# Altium PCB DRS4-PCB.PcbDoc (part 8 of 15) (continued)
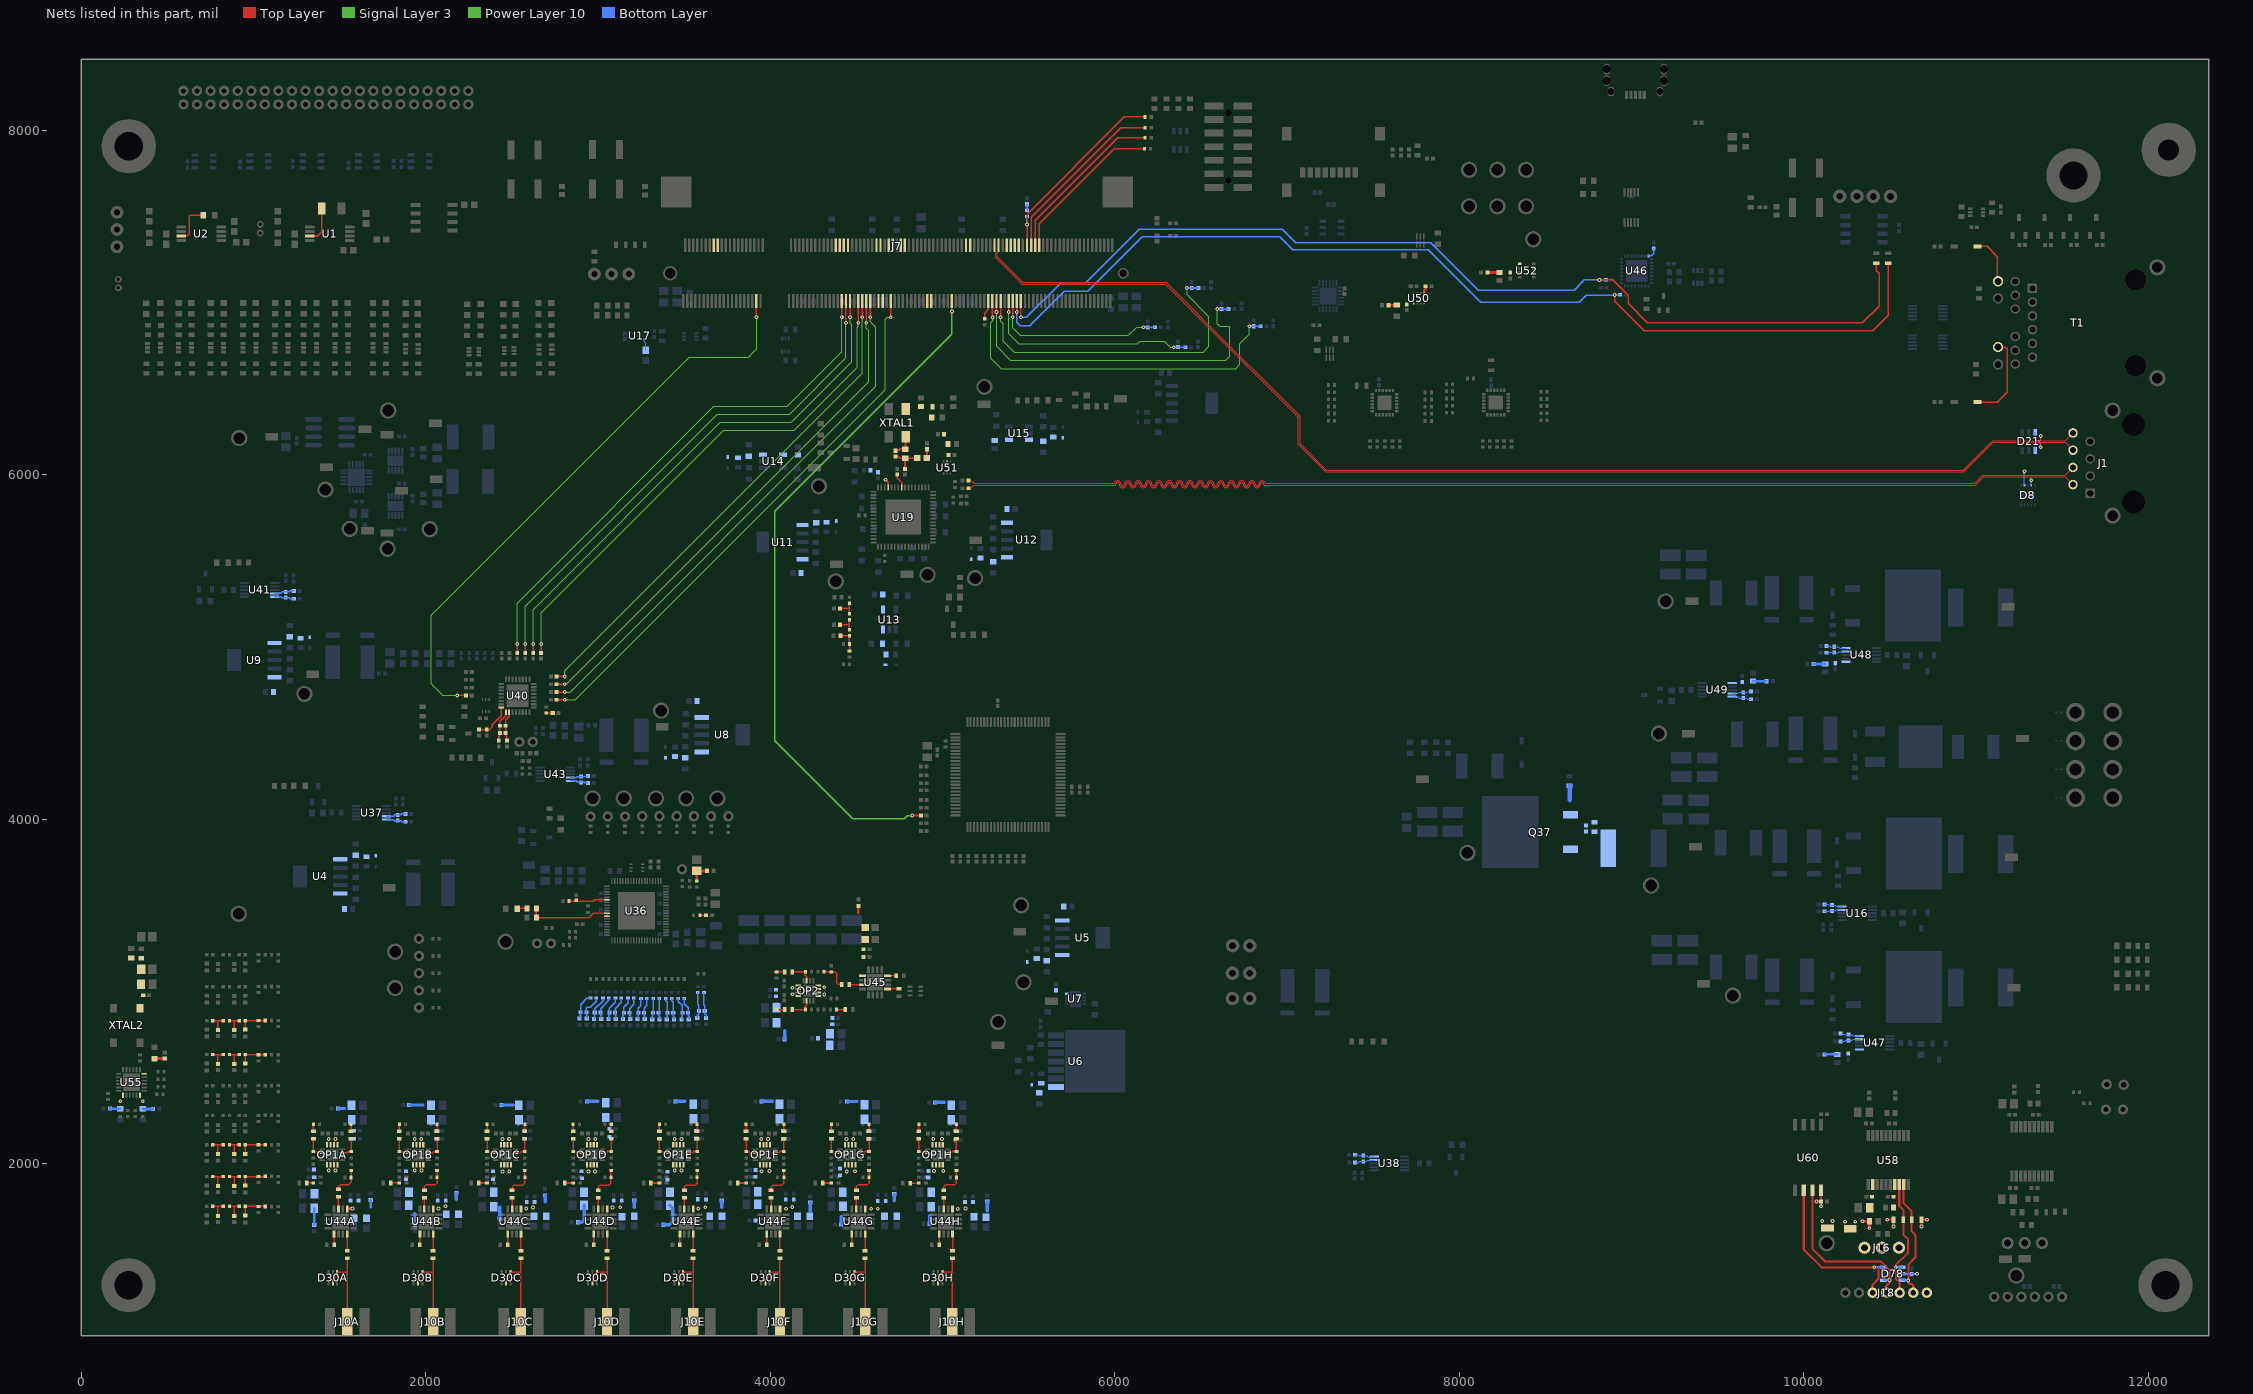
[diagram p18: the nets of this part, all layers, seen from the top]
## Nets (pads, with @x,y where several pads share a name; then routed paths per layer and width w, separated by ;. In a path a pad name is that pad's centre, name@x,y a point inside that pad or via, vN(x,y) a via of type N, cw(c..) or ccw(c..) an arc to the next point about the centre after c; other vN are vias at no path point) (continued)
NetC199C_1: C199C.1 C201C.1 C203C.2 C206C.2 FB17C.2 OP1C.5 OP1C.6 OP1C.7 OP1C.8 | length 66
  Bottom Layer w19.68: FB17C.2@2440.13,2340.59 2506.14,2340.59
  other v1: 2444.39,2142.91 2483.15,2142.91
NetC199D_1: C199D.1 C201D.1 C203D.2 C206D.2 FB17D.2 OP1D.5 OP1D.6 OP1D.7 OP1D.8 | length 63.8
  Bottom Layer w19.68: FB17D.2@2934.16,2361.61 2997.94,2361.6
  other v1: 2943.64,2142.91 2982.48,2142.91
NetC199E_1: C199E.1 C201E.1 C203E.2 C206E.2 FB17E.2 OP1E.5 OP1E.6 OP1E.7 OP1E.8 | length 52.5
  Bottom Layer w19.68: FB17E.2@3449.28,2361.61 3501.8,2361.61
  other v1: 3444.55,2142.91 3483.39,2142.91
NetC199F_1: C199F.1 C201F.1 C203F.2 C206F.2 FB17F.2 OP1F.5 OP1F.6 OP1F.7 OP1F.8 | length 60.3
  Bottom Layer w19.68: FB17F.2@3949.71,2361.61 4009.93,2361.61 ; 4009.93,2361.61 4009.97,2361.57
  other v1: 3947.62,2142.91 3986.46,2142.91
NetC199G_1: C199G.1 C201G.1 C203G.2 C206G.2 FB17G.2 OP1G.5 OP1G.6 OP1G.7 OP1G.8 | length 58
  Bottom Layer w15.75: FB17G.2@4444.93,2361.61 4502.33,2361.61 4502.74,2362.03
  other v1: 4442.42,2142.91 4481.26,2142.91
NetC199H_1: C199H.1 C201H.1 C203H.2 C206H.2 FB17H.2 OP1H.5 OP1H.6 OP1H.7 OP1H.8 | length 53.2
  Bottom Layer w19.68: FB17H.2@4956.59,2355.78 5009.14,2355.78 5009.63,2356.27
  other v1: 4945.26,2142.8 4995.91,2142.81
NetC200A_1: C200A.1 C202A.1 C204A.2 C207A.2 FB18A.2 OP1A.13 OP1A.14 OP1A.15 OP1A.16 | length 96.5
  Bottom Layer w15.75: FB18A.2@1351.65,1644.8 C204A.2@1351.65,1741.34
  other v1: 1436.43,1960.35 1475.19,1960.35
NetC200B_1: C200B.1 C202B.1 C204B.2 C207B.2 FB18B.2 OP1B.13 OP1B.14 OP1B.15 OP1B.16 | length 66.4
  Bottom Layer w19.68: FB18B.2@1936.3,1644.8 1936.3,1710.25 1936.98,1710.92
  other v1: 1935.18,1960.35 1973.94,1960.35
NetC200C_1: C200C.1 C202C.1 C204C.2 C207C.2 FB18C.2 OP1C.13 OP1C.14 OP1C.15 OP1C.16 | length 65.1
  Bottom Layer w19.68: FB18C.2@2428.84,1681.92 2428.84,1745.88 2429.64,1746.67
  other v1: 2444.63,1954.94 2483.89,1955.08
NetC200D_1: C200D.1 C202D.1 C204D.2 C207D.2 FB18D.2 OP1D.13 OP1D.14 OP1D.15 OP1D.16 | length 123.3
  Bottom Layer w19.68: FB18D.2@2885.87,1659.61 2905.87,1659.61 2918.23,1671.96 C204D.2@2918.23,1757.79
  other v1: 2943.88,1955.08 2982.4,1955.08
NetC200E_1: C200E.1 C202E.1 C204E.2 C207E.2 FB18E.2 OP1E.13 OP1E.14 OP1E.15 OP1E.16 | length 160.2
  Bottom Layer w19.68: FB18E.2@3380.32,1645.23 3413.97,1645.23 3432.28,1663.54 3432.28,1742.12 C204E.2@3416.65,1757.76
  other v1: 3444.78,1960.35 3483.31,1960.35
NetC200F_1: C200F.1 C202F.1 C204F.2 C207F.2 FB18F.2 OP1F.13 OP1F.14 OP1F.15 OP1F.16
  other v1: 3948.42,1955.98 3994.29,1957.39
NetC200G_1: C200G.1 C202G.1 C204G.2 C207G.2 FB18G.2 OP1G.13 OP1G.14 OP1G.15 OP1G.16 | length 45
  Bottom Layer w19.68: 4410.24,1692.75 4410.47,1692.52 FB18G.2@4410.47,1647.88
  other v1: 4442.6,1954.37 4491.48,1955.85
NetC200H_1: C200H.1 C202H.1 C204H.2 C207H.2 FB18H.2 OP1H.13 OP1H.14 OP1H.15 OP1H.16 | length 46.1
  Bottom Layer w19.68: FB18H.2@4924.1,1651.14 4924.1,1697.21
  other v1: 4950.27,1958.18 5003.32,1958.19
NetC209A_2: C209A.2 R157A.2 | length 41.3
  Top Layer w8.72: C209A.2@1308.06,1888.78 R157A.2@1349.41,1888.78
NetC209B_2: C209B.2 R157B.2 | length 48.9
  Top Layer w8.72: C209B.2@1796.65,1888.5 R157B.2@1845.55,1888.5
NetC209C_2: C209C.2 R157C.2 | length 48.9
  Top Layer w10: C209C.2@2306.1,1888.5 R157C.2@2355,1888.5
NetC209D_2: C209D.2 R157D.2 | length 48.9
  Top Layer w10: C209D.2@2806.26,1888.5 R157D.2@2855.16,1888.5
NetC209E_2: C209E.2 R157E.2 | length 48.9
  Top Layer w10: C209E.2@3306.73,1888.5 R157E.2@3355.63,1888.5
NetC209F_2: C209F.2 R157F.2 | length 48.9
  Top Layer w10: C209F.2@3810.24,1888.5 R157F.2@3859.13,1888.5
NetC209G_2: C209G.2 R157G.2 | length 48.9
  Top Layer w10: C209G.2@4305.04,1888.5 R157G.2@4353.94,1888.5
NetC209H_2: C209H.2 R157H.2 | length 48.9
  Top Layer w10: C209H.2@4812.56,1886.38 R157H.2@4861.46,1886.38
NetC210A_1: C210A.1 U44A.12 | length 98.4
  Top Layer w8.72: C210A.1@1543.62,1493.39 U44A.12@1543.62,1591.76
NetC210A_2: C210A.2 D30A.2 D30A.4 J10A.1 | length 463.2
  Top Layer w8.72: D30A.2@1459.65,1307.09 1459.65,1326.92 1485.24,1352.51 D30A.4@1485.24,1370.08 1543.62,1370.08 ; J10A.1@1543.62,1117.42 1543.62,1370.08 ; C210A.2@1543.62,1448.5 1543.62,1370.08 ; 1543.72,1370.08 1543.62,1370.08
NetC210B_1: C210B.1 U44B.12 | length 99.2
  Top Layer w8.72: C210B.1@2042.32,1493.39 U44B.12@2042.32,1591.76 U44B.12@2042.32,1592.54
NetC210B_2: C210B.2 D30B.2 D30B.4 J10B.1 | length 503.9
  Top Layer w8.72: D30B.2@1953.46,1307.09 1953.46,1326.92 1979.06,1352.51 D30B.4@1979.06,1370.08 2041.99,1370.08 ; J10B.1@2041.99,1082.68 2041.99,1370.08 ; C210B.2@2041.99,1450.08 2041.99,1370.08
NetC210C_1: C210C.1 U44C.12 | length 99.2
  Top Layer w8.72: C210C.1@2551.77,1493.39 U44C.12@2551.77,1592.54
NetC210C_2: C210C.2 D30C.2 D30C.4 J10C.1 | length 505.6
  Top Layer w8.72: D30C.2@2465.43,1307.09 2465.43,1326.92 2491.02,1352.51 D30C.4@2491.02,1370.08 2549.51,1370.08 ; J10C.1@2551.44,1076.55 C210C.2@2551.44,1450.08
NetC210D_1: C210D.1 U44D.12 | length 99.2
  Top Layer w8.72: C210D.1@3051.93,1493.39 U44D.12@3051.93,1591.76 U44D.12@3051.93,1592.54
NetC210D_2: C210D.2 D30D.2 D30D.4 J10D.1 | length 510.5
  Top Layer w8.72: D30D.2@2967.54,1307.09 2967.54,1326.92 2993.13,1352.51 D30D.4@2993.13,1370.08 3051.6,1370.08 ; J10D.1@3051.6,1071.64 3051.6,1370.08 ; C210D.2@3051.6,1450.08 3051.6,1370.08
NetC210E_1: C210E.1 U44E.12 | length 99.2
  Top Layer w8.72: C210E.1@3551.78,1493.39 U44E.12@3551.78,1591.76 U44E.12@3551.78,1592.54
NetC210E_2: C210E.2 D30E.2 D30E.4 J10E.1 | length 498.6
  Top Layer w8.72: D30E.2@3468.27,1307.09 3468.27,1326.92 3493.86,1352.51 D30E.4@3493.86,1370.08 3551.44,1370.08 ; J10E.1@3551.44,1082.68 3551.44,1370.08 ; C210E.2@3551.44,1450.08 3551.44,1370.08
NetC210F_1: C210F.1 U44F.12 | length 98.8
  Top Layer w8.72: C210F.1@4055.48,1493.39 U44F.12@4055.48,1591.76 U44F.12@4055.48,1592.22
NetC210F_2: C210F.2 D30F.2 D30F.4 J10F.1 | length 509.6
  Top Layer w8.72: D30F.2@3970.52,1307.09 3970.52,1326.92 3996.12,1352.51 D30F.4@3996.12,1370.08 4054.6,1370.08 ; J10F.1@4055.48,1072.54 C210F.2@4055.48,1450.08
NetC210G_1: C210G.1 U44G.12 | length 102.3
  Top Layer w8.72: C210G.1@4550,1493.39 U44G.12@4550,1591.76 U44G.12@4550,1595.71
NetC210G_2: C210G.2 D30G.2 D30G.4 J10G.1 | length 491.4
  Top Layer w8.72: D30G.2@4462.64,1307.09 4462.64,1326.92 4488.23,1352.51 D30G.4@4488.23,1370.08 4546.71,1370.08 ; J10G.1@4550,1087.86 4550,1370.08 C210G.2@4550,1447.15
NetC210H_1: C210H.1 U44H.12 | length 97
  Top Layer w8.72: C210H.1@5057.53,1493.39 U44H.12@5057.53,1590.42
NetC210H_2: C210H.2 D30H.2 D30H.4 J10H.1 | length 502.3
  Top Layer w8.72: D30H.2@4973.62,1307.09 4973.62,1326.92 4999.21,1352.51 D30H.4@4999.21,1370.08 5057.17,1370.08 ; J10H.1@5057.17,1079.9 5057.17,1370.08 ; C210H.2@5057.17,1450.08 5057.17,1370.08 ; 5057.7,1370.08 5057.17,1370.08
NetC211A_1: C211A.1 U44A.9 | length 62.6
  Top Layer w8.72: C211A.1@1466.81,1529.93 U44A.9@1466.81,1592.54
NetC211B_1: C211B.1 U44B.9 | length 62.3
  Top Layer w10: C211B.1@1964.76,1529.41 U44B.9@1964.76,1591.75
NetC211C_1: C211C.1 U44C.9 | length 62.3
  Top Layer w8.72: C211C.1@2475,1530.22 U44C.9@2475,1592.54
NetC211D_1: C211D.1 U44D.9 | length 62.3
  Top Layer w8.72: C211D.1@2975.16,1530.22 U44D.9@2975.16,1591.76 U44D.9@2975.16,1592.54
NetC211E_1: C211E.1 U44E.9 | length 62.3
  Top Layer w8.72: C211E.1@3475,1530.22 U44E.9@3475,1592.54
NetC211F_1: C211F.1 U44F.9 | length 62.3
  Top Layer w8.72: C211F.1@3978.7,1530.22 U44F.9@3978.7,1592.54
NetC211G_1: C211G.1 U44G.9 | length 62.3
  Top Layer w8.72: C211G.1@4473.23,1530.22 U44G.9@4473.23,1591.76 U44G.9@4473.23,1592.54
NetC211H_1: C211H.1 U44H.9 | length 62.3
  Top Layer w8.72: C211H.1@4980.75,1528.09 U44H.9@4980.75,1590.42
NetC212A_1: C212A.1 R162A.1 R164A.2 | length 168.4
  Top Layer w8.72: C212A.1@1492.4,1850.74 1492.4,1865.67 1505.79,1879.06 1552.28,1879.06 1566.46,1893.23 R164A.2@1566.46,1920.31 1566.22,1920.55 R162A.1@1566.22,1961.06 ; R162A.1@1571.1,1961.06 R162A.1@1571.18,1960.98
NetC212A_2: C212A.2 U44A.3 | length 69
  Top Layer w8.72: U44A.3@1492.4,1738.4 C212A.2@1492.4,1807.43
NetC212B_1: C212B.1 R162B.1 R164B.2 | length 178.4
  Top Layer w8.72: C212B.1@1991.14,1845.35 1991.14,1866.26 2001.34,1876.46 2054.13,1876.46 2065.04,1887.36 R164B.2@2065.04,1921.68 ; R164B.2@2064.8,1921.92 R162B.1@2064.8,1962.43
NetC212B_2: C212B.2 U44B.3 | length 63.6
  Top Layer w8.72: U44B.3@1991.14,1738.4 C212B.2@1991.14,1802.05
NetC212C_1: C212C.1 R162C.1 R164C.2 | length 178.4
  Top Layer w8.72: C212C.1@2500.31,1844.5 2500.31,1865.4 2510.51,1875.6 2563.31,1875.6 2574.21,1886.51 R164C.2@2574.21,1920.83 R162C.1@2574.21,1961.34
NetC212C_2: C212C.2 U44C.3 | length 63.6
  Top Layer w8.72: U44C.3@2500.59,1738.4 C212C.2@2500.59,1802.05
NetC212D_1: C212D.1 R162D.1 R164D.2 | length 178.4
  Top Layer w8.72: C212D.1@3000.47,1844.5 3000.47,1865.4 3010.67,1875.6 3063.46,1875.6 3074.37,1886.51 R164D.2@3074.37,1920.83 R162D.1@3074.37,1961.34
NetC212D_2: C212D.2 U44D.3 | length 63.6
  Top Layer w8.72: U44D.3@3000.75,1738.4 C212D.2@3000.75,1802.05
NetC212E_1: C212E.1 R162E.1 R164E.2 | length 178.4
  Top Layer w8.72: C212E.1@3500.94,1844.5 3500.94,1865.4 3511.14,1875.6 3563.94,1875.6 3574.84,1886.51 R164E.2@3574.84,1920.83 R162E.1@3574.84,1961.34
NetC212E_2: C212E.2 U44E.3 | length 63.6
  Top Layer w8.72: U44E.3@3501.22,1738.4 C212E.2@3501.22,1802.05
NetC212F_1: C212F.1 R162F.1 R164F.2 | length 178.4
  Top Layer w8.72: C212F.1@4004.02,1844.5 4004.02,1865.4 4014.21,1875.6 4067.01,1875.6 4077.91,1886.51 R164F.2@4077.91,1920.83 R162F.1@4077.91,1961.34
NetC212F_2: C212F.2 U44F.3 | length 63.6
  Top Layer w8.72: U44F.3@4004.29,1738.4 C212F.2@4004.29,1802.05
NetC212G_1: C212G.1 R162G.1 R164G.2 | length 178.4
  Top Layer w8.72: C212G.1@4498.82,1845.35 4498.82,1866.26 4509.01,1876.46 4561.81,1876.46 4572.71,1887.36 R164G.2@4572.72,1921.68 R162G.1@4572.72,1961.34 R162G.1@4572.72,1962.19
NetC212G_2: C212G.2 U44G.3 | length 63.6
  Top Layer w8.72: U44G.3@4498.82,1738.4 C212G.2@4498.82,1802.05
NetC212H_1: C212H.1 R162H.1 R164H.2 | length 178.4
  Top Layer w8.72: C212H.1@5006.34,1845.35 5006.34,1866.26 5016.54,1876.46 5069.33,1876.46 5080.24,1887.36 5080.24,1921.68 R162H.1@5080.24,1961.34 R162H.1@5080.24,1962.19
NetC212H_2: C212H.2 U44H.3 | length 63.6
  Top Layer w8.72: U44H.3@5006.34,1738.4 C212H.2@5006.34,1802.05
NetC213A_1: C213A.1 R160A.1 | length 40.6
  Top Layer w7.87: C213A.1@1346.81,2188.5 R160A.1@1346.81,2229.13
NetC213A_2: C213A.2 OP1A.10 R170A.2 | length 130.2
  Top Layer w7.87: C213A.2@1346.81,2145.2 R170A.2@1346.81,2069.61 1366.5,2069.61 1373.86,2062.24 OP1A.10@1398.41,2062.24
NetC213B_1: C213B.1 R160B.1 | length 40.6
  Top Layer w7.87: C213B.1@1845.55,2188.5 R160B.1@1845.55,2229.13
NetC213B_2: C213B.2 OP1B.10 R170B.2 | length 130.2
  Top Layer w7.87: C213B.2@1845.55,2145.2 R170B.2@1845.55,2069.61 1865.25,2069.61 1872.61,2062.24 OP1B.10@1897.16,2062.24
NetC213C_1: C213C.1 R160C.1 | length 40.6
  Top Layer w7.87: C213C.1@2355,2188.5 R160C.1@2355,2229.13
NetC213C_2: C213C.2 OP1C.10 R170C.2 | length 130.2
  Top Layer w7.87: C213C.2@2355,2145.2 R170C.2@2355,2069.61 2374.69,2069.61 2382.06,2062.24 OP1C.10@2406.61,2062.24
NetC213D_1: C213D.1 R160D.1 | length 40.6
  Top Layer w7.87: C213D.1@2855.16,2188.5 R160D.1@2855.16,2229.13
NetC213D_2: C213D.2 OP1D.10 R170D.2 | length 130.2
  Top Layer w7.87: C213D.2@2855.15,2145.2 2855.15,2069.61 2874.85,2069.61 2882.21,2062.24 OP1D.10@2906.76,2062.24
NetC213E_1: C213E.1 R160E.1 | length 40.6
  Top Layer w7.87: C213E.1@3355.63,2188.5 R160E.1@3355.63,2229.13
NetC213E_2: C213E.2 OP1E.10 R170E.2 | length 130.2
  Top Layer w7.87: R170E.2@3355.63,2069.61 C213E.2@3355.63,2145.2 ; R170E.2@3355.63,2069.61 3375.32,2069.61 3382.69,2062.24 OP1E.10@3407.24,2062.24
NetC213F_1: C213F.1 R160F.1 | length 40.6
  Top Layer w7.87: C213F.1@3859.13,2188.5 R160F.1@3859.13,2229.13
NetC213F_2: C213F.2 OP1F.10 R170F.2 | length 130.2
  Top Layer w7.87: C213F.2@3858.69,2145.2 3858.69,2069.61 R170F.2@3859.13,2069.61 3878.39,2069.61 3885.76,2062.24 OP1F.10@3910.31,2062.24
NetC213G_1: C213G.1 R160G.1 | length 40.6
  Top Layer w7.87: C213G.1@4353.94,2188.5 R160G.1@4353.94,2229.13
NetC213G_2: C213G.2 OP1G.10 R170G.2 | length 130.2
  Top Layer w7.87: C213G.2@4353.94,2145.2 R170G.2@4353.94,2069.61 4373.63,2069.61 4380.99,2062.24 OP1G.10@4405.54,2062.24
NetC213H_1: C213H.1 R160H.1 | length 40.6
  Top Layer w7.87: C213H.1@4861.46,2188.5 R160H.1@4861.46,2229.13
NetC213H_2: C213H.2 OP1H.10 R170H.2 | length 130.2
  Top Layer w7.87: C213H.2@4861.45,2145.2 4861.45,2069.61 4881.15,2069.61 4888.51,2062.24 OP1H.10@4913.06,2062.24
NetC214A_1: C214A.1 R161A.1 | length 41.3
  Top Layer w7.87: C214A.1@1566.22,2187.8 R161A.1@1566.22,2229.13
NetC214A_2: C214A.2 OP1A.3 R165A.2 | length 129.7
  Top Layer w7.87: OP1A.3@1514.41,2062.24 1543.27,2062.24 1550.63,2069.61 R165A.2@1566.22,2069.61 C214A.2@1566.22,2144.49
NetC214B_1: C214B.1 R161B.1 | length 40.6
  Top Layer w7.87: C214B.1@2065.04,2188.5 R161B.1@2065.04,2229.13
NetC214B_2: C214B.2 OP1B.3 R165B.2 | length 130.7
  Top Layer w7.87: OP1B.3@2013.16,2062.24 2037.75,2062.24 2046.13,2070.63 R165B.2@2064.75,2070.63 ; R165B.2@2065.04,2069.61 C214B.2@2065.04,2145.2
NetC214C_1: C214C.1 R161C.1 | length 40.6
  Top Layer w7.87: C214C.1@2574.21,2188.78 R161C.1@2574.21,2229.41
NetC214C_2: C214C.2 OP1C.3 R165C.2 | length 130.7
  Top Layer w7.87: OP1C.3@2522.33,2062.52 2546.92,2062.52 2555.31,2070.91 R165C.2@2573.93,2070.91 ; R165C.2@2574.21,2069.88 C214C.2@2574.21,2145.2 C214C.2@2574.21,2145.47
NetC214D_1: C214D.1 R161D.1 | length 40.6
  Top Layer w7.87: C214D.1@3076.18,2188.5 R161D.1@3076.18,2229.13
NetC214D_2: C214D.2 OP1D.3 R165D.2 | length 130.7
  Top Layer w7.87: OP1D.3@3022.49,2062.52 3047.08,2062.52 3055.46,2070.91 R165D.2@3074.09,2070.91 ; R165D.2@3076.47,2068.58 C214D.2@3076.47,2144.17
NetC214E_1: C214E.1 R161E.1 | length 40.6
  Top Layer w7.87: C214E.1@3574.84,2188.5 R161E.1@3574.84,2229.13
NetC214E_2: C214E.2 OP1E.3 R165E.2 | length 130.7
  Top Layer w7.87: OP1E.3@3521.15,2062.52 3545.74,2062.52 3554.12,2070.91 R165E.2@3572.75,2070.91 ; R165E.2@3575.13,2068.58 C214E.2@3575.13,2144.17
NetC214F_1: C214F.1 R161F.1 | length 40.6
  Top Layer w7.87: C214F.1@4077.91,2188.5 R161F.1@4077.91,2229.13
NetC214F_2: C214F.2 OP1F.3 R165F.2 | length 130.7
  Top Layer w7.87: OP1F.3@4024.22,2062.52 4048.81,2062.52 4057.2,2070.91 R165F.2@4075.82,2070.91 ; R165F.2@4078.2,2068.58 C214F.2@4078.2,2144.17
NetC214G_1: C214G.1 R161G.1 | length 40.6
  Top Layer w7.87: C214G.1@4572.72,2188.5 R161G.1@4572.72,2229.13
NetC214G_2: C214G.2 OP1G.3 R165G.2 | length 130.7
  Top Layer w7.87: OP1G.3@4519.02,2062.52 4543.61,2062.52 4552,2070.91 R165G.2@4570.62,2070.91 ; R165G.2@4573,2068.58 C214G.2@4573,2144.17
NetC214H_1: C214H.1 R161H.1 | length 40.6
  Top Layer w7.87: C214H.1@5080.24,2188.5 R161H.1@5080.24,2229.13
NetC214H_2: C214H.2 OP1H.3 R165H.2 | length 130.7
  Top Layer w7.87: OP1H.3@5026.54,2062.52 5051.13,2062.52 5059.52,2070.91 R165H.2@5078.14,2070.91 ; R165H.2@5080.24,2069.61 C214H.2@5080.24,2145.2
NetC215_2: C215.2 U17.3 | length 67.8
  Bottom Layer w5: U17.3@3266.94,6786.01 3266.94,6770.9 3276.77,6761.06 C215.2@3276.77,6722.33
NetC216A_1: C216A.1 L2A.1 R166A.1 | length 157.5
  Bottom Layer w7.87: L2A.1@2891.94,2842.07 2892.96,2843.08 2892.96,2859.11 2897.9,2864.05 C216A.1@2897.9,2879.68 2897.9,2923.61 2935.25,2960.96 R166A.1@2955.9,2960.96
NetC216A_2: C216A.2 L3A.2 R167A.1 | length 156.1
  Bottom Layer w7.87: L3A.2@2933.69,2842.07 2935.94,2844.32 2935.94,2860.83 2931.36,2865.41 C216A.2@2931.36,2879.68 2931.36,2901.93 2938.08,2908.66 2955.24,2908.66 2989.75,2943.17 R167A.1@2989.75,2961.05
NetC216B_1: C216B.1 L2B.1 R166B.1 | length 142.9
  Bottom Layer w7.87: L2B.1@2976.14,2839.58 2976,2839.73 2976,2856.88 2980.49,2861.37 C216B.1@2980.49,2877.19 2980.49,2898.39 3028.3,2946.2 R166B.1@3028.3,2960.74
NetC216B_2: C216B.2 L3B.2 R167B.1 | length 143
  Bottom Layer w7.87: L3B.2@3017.89,2839.58 3018.23,2839.93 3018.23,2858.11 3013.96,2862.38 C216B.2@3013.96,2877.19 3013.96,2900.22 3062.16,2948.42 R167B.1@3062.16,2960.74
NetC216C_1: C216C.1 L2C.1 R166C.1 | length 137.5
  Bottom Layer w7.87: L2C.1@3060.25,2840.03 3060.87,2840.64 3060.87,2857.81 3065.17,2862.11 C216C.1@3065.17,2877.64 3065.17,2902.37 3100.7,2937.91 R166C.1@3100.7,2960.74
NetC216C_2: C216C.2 L3C.2 R167C.1 | length 137.9
  Bottom Layer w7.87: L3C.2@3101.99,2840.03 3103.1,2841.14 3103.1,2858.05 3098.63,2862.52 C216C.2@3098.63,2877.64 3098.63,2900.48 3134.56,2936.41 R167C.1@3134.56,2960.74
NetC216D_1: C216D.1 L2D.1 R166D.1 | length 134
  Bottom Layer w7.87: L2D.1@3144.56,2839.19 3144.22,2839.53 3144.22,2857.72 3149.52,2863.02 C216D.1@3149.52,2876.8 3149.52,2908.65 3174.03,2933.16 R166D.1@3174.03,2960.74
NetC216D_2: C216D.2 L3D.2 R167D.1 | length 133.8
  Bottom Layer w7.87: L3D.2@3186.31,2839.19 3186.95,2839.84 3186.95,2857.69 3182.99,2861.65 C216D.2@3182.99,2876.8 3182.99,2900.95 3207.89,2925.85 R167D.1@3207.89,2960.74
NetC216E_1: C216E.1 L2E.1 R166E.1 | length 128
  Bottom Layer w7.87: L2E.1@3228.53,2839.19 3228.53,2854.35 3233,2858.82 C216E.1@3233,2876.19 ; C216E.1@3233.61,2876.8 3233.61,2902.75 3248.46,2917.59 R166E.1@3248.46,2959.8
NetC216E_2: C216E.2 L3E.2 R167E.1 | length 128.1
  Bottom Layer w7.87: L3E.2@3270.27,2839.19 3270.27,2855.27 3267.07,2858.47 C216E.2@3267.07,2876.8 3267.07,2903.83 3281.92,2918.68 R167E.1@3281.92,2959.79
NetC216F_1: C216F.1 L2F.1 R166F.1 | length 122.8
  Bottom Layer w7.87: L2F.1@3314.17,2838.55 3314.36,2838.75 3314.36,2856.97 3317.92,2860.53 C216F.1@3317.92,2876.16 ; C216F.1@3320.46,2876.16 R166F.1@3320.46,2959.79
NetC216F_2: C216F.2 L3F.2 R167F.1 | length 122.2
  Bottom Layer w7.87: C216F.2@3351.38,2876.16 3351.38,2859.59 3356.48,2854.49 3356.48,2839.13 L3F.2@3355.91,2838.55 ; C216F.2@3354.32,2877.52 R167F.1@3354.32,2959.79
NetC216G_1: C216G.1 L2G.1 R166G.1 | length 127
  Bottom Layer w7.87: R166G.1@3392.86,2959.79 3392.86,2945.58 3402.45,2936 C216G.1@3402.45,2876 3402.45,2860.57 3400.36,2858.48 3400.36,2840.23 L2G.1@3398.5,2838.37
NetC216G_2: C216G.2 L3G.2 R167G.1 | length 127
  Bottom Layer w7.87: R167G.1@3426.72,2959.79 3426.72,2947.28 3435.91,2938.09 C216G.2@3435.91,2876 3435.91,2859.63 3440.24,2855.3 L3G.2@3440.24,2838.37
NetC216H_1: C216H.1 L2H.1 R166H.1 | length 136.4
  Bottom Layer w7.87: R166H.1@3465.27,2959.79 3465.27,2941.07 3487.54,2918.8 C216H.1@3487.54,2872.31 ; L2H.1@3483.99,2838.15 3486.44,2840.6 3486.44,2856.15 3488.94,2858.65 C216H.1@3488.94,2875.75
NetC216H_2: C216H.2 L3H.2 R167H.1 | length 134.7
  Bottom Layer w7.87: R167H.1@3499.12,2959.79 3499.12,2928.76 3522.4,2905.48 C216H.2@3522.4,2875.75 3522.4,2858.15 3528.15,2852.4 3528.15,2840.56 L3H.2@3525.73,2838.15
NetC217A_2: C217A.2 C218A.1 C219A.2 C220A.1 FB19A.2 U44A.1 | length 73.1
  Top Layer w11.81: U44A.1@1543.58,1738.4 U44A.1@1545.16,1739.98
  Top Layer w19.68: U44A.1@1545.16,1739.98 v1(1573.42,1739.98)
  Bottom Layer w15.75: FB19A.2@1679.76,1789.85 1679.76,1747.33 1679.8,1747.28
NetC217B_2: C217B.2 C218B.1 C219B.2 C220B.1 FB19B.2 U44B.1 | length 37.4
  Bottom Layer w11.81: 2177.3,1792.07 2177.72,1791.64
  Bottom Layer w19.68: 2177.3,1792.07 FB19B.2@2177.3,1828.89
  other v1: 2072.9,1740 2114.15,1752.36
NetC217C_2: C217C.2 C218C.1 C219C.2 C220C.1 FB19C.2 U44C.1 | length 37.9
  Bottom Layer w19.68: 2691.97,1778.02 FB19C.2@2691.97,1815.93
  other v1: 2582.56,1740 2621.35,1745.82
NetC217D_2: C217D.2 C218D.1 C219D.2 C220D.1 FB19D.2 U44D.1 | length 39.4
  Bottom Layer w19.68: 3209.84,1747.79 FB19D.2@3209.84,1787.14
  other v1: 3083.9,1746.09 3129.1,1746.67
NetC217E_2: C217E.2 C218E.1 C219E.2 C220E.1 FB19E.2 U44E.1 | length 40.2
  Bottom Layer w19.68: 3718.04,1745.76 FB19E.2@3718.04,1785.99
  other v1: 3581.28,1739.38 3622.09,1747.44
NetC217F_2: C217F.2 C218F.1 C219F.2 C220F.1 FB19F.2 U44F.1 | length 50.7
  Bottom Layer w19.68: 4231.12,1724.08 FB19F.2@4231.12,1774.75
  other v1: 4091.1,1737.9 4127.24,1748.44
NetC217G_2: C217G.2 C218G.1 C219G.2 C220G.1 FB19G.2 U44G.1 | length 37.7
  Bottom Layer w19.68: 4718.54,1785.97 FB19G.2@4718.54,1823.64
  other v1: 4585.62,1737.9 4623.11,1737.9
NetC217H_2: C217H.2 C218H.1 C219H.2 C220H.1 FB19H.2 U44H.1 | length 53.7
  Bottom Layer w19.68: 5258.71,1726.88 FB19H.2@5258.71,1780.55
  other v1: 5088.39,1736.99 5132.18,1739.8
NetC222_1: C222.1 C224.1 C226.2 C229.2 FB20.2 OP2.5 OP2.6 OP2.7 OP2.8 | length 48.6
  Bottom Layer w19.68: FB20.2@4082.24,2722.4 4082.24,2771
  other v1: 4127.83,2983.26 4127.83,3022.09
NetC223_1: C223.1 C225.1 C227.2 C230.2 FB21.2 OP2.13 OP2.14 OP2.15 OP2.16
  other v1: 4312.44,2982.53 4312.44,3023.85
NetC232_2: C232.2 R172.2 | length 48.9
  Top Layer w8.72: R172.2@4384.53,2894.77 C232.2@4433.43,2894.77
NetC233_1: C233.1 U45.12 | length 47.1
  Top Layer w8.72: U45.12@4683.47,3091.14 C233.1@4730.59,3091.14
NetC234_1: C234.1 U45.9 | length 62.3
  Top Layer w8.72: U45.9@4683.47,3014.36 C234.1@4745.8,3014.36
NetC235_1: C235.1 R177.1 R178.2 | length 162.9
  Top Layer w8.72: R177.1@4311.69,3113.85 R178.2@4353.04,3113.85 4375.04,3113.85 4385.84,3103.05 4385.84,3049.69 4394.75,3040.78 C235.1@4413.11,3040.78
NetC235_2: C235.2 U45.3 | length 75.2
  Top Layer w8.72: C235.2@4459.4,3039.95 U45.3@4534.65,3039.95
NetC236_1: C236.1 R175.1 | length 47.6
  Top Layer w7.87: R175.1@4035.64,2894.75 C236.1@4083.23,2894.75
NetC236_2: C236.2 OP2.10 R181.2 | length 130.2
  Top Layer w7.87: C236.2@4127.83,2894.76 R181.2@4203.43,2894.75 ; R181.2@4203.43,2894.75 4203.43,2914.47 4210.79,2921.83 OP2.10@4210.79,2946.38
NetC237_1: C237.1 R176.1 | length 47.6
  Top Layer w7.87: R176.1@4035.63,3113.53 C237.1@4083.23,3113.53
NetC237_2: C237.2 OP2.3 R180.2 | length 130.7
  Top Layer w7.8: C237.2@4127.82,3113.55 R180.2@4203.41,3113.55 ; R180.2@4202.11,3111.46 4202.11,3092.83 4210.5,3084.45 OP2.3@4210.5,3059.86
NetC239_1: C239.1 L4.1 R182.1 | length 154.1
  Bottom Layer w7.87: L4.1@3575.31,2847.16 3575.31,2859.12 3585.3,2869.11 C239.1@3585.3,2886.03 3585.3,2918.86 3578.4,2925.75 R182.1@3578.4,2994.26
NetC239_2: C239.2 L5.2 R183.1 | length 153.5
  Bottom Layer w7.87: R183.1@3614.01,2994.26 3614.01,2923.1 3620.2,2916.91 3620.2,2887.47 C239.2@3618.76,2886.03 3618.76,2869.7 3626.66,2861.8 L5.2@3626.66,2847.16
NetC240_2: C240.2 C241.1 C242.2 C243.1 FB35.2 U45.1 | length 39
  Top Layer w15.75: 4510.85,3457.92 FB35.2@4510.85,3496.94
NetC246_2: C246.2 L6.2 L7.1 | length 110
  Top Layer w8.72: C246.2@4408.3,5223.53 4459.13,5223.53 ; L7.1@4459.13,5193.77 4459.13,5223.53 ; L6.2@4459.13,5252.94 4459.13,5223.53
NetC247_2: C247.2 L7.2 L8.1 | length 111.6
  Top Layer w8.72: C247.2@4404.2,5129.13 4457.49,5129.13 ; L8.1@4459.13,5100.07 L7.2@4459.13,5158.34
NetC248_2: C248.2 L8.2 R186.1 R187.2 | length 141.8
  Top Layer w8.72: C248.2@4406.37,5064.64 L8.2@4459.13,5064.64 4459.13,5018.46 R187.2@4459.92,5017.68 4459.92,4976.59 R186.1@4460.37,4976.14
NetC251_2: C251.2 U46.16 | length 65.3
  Bottom Layer w7.87: U46.16@9097.95,7270.67 9114.35,7270.67 9127.53,7283.86 C251.2@9127.53,7314.15
NetC257_1: C257.1 R205.1 U47.10 | length 115.7
  Bottom Layer w5: R205.1@10213.04,2755.29 10215.83,2752.5 10238.5,2752.5 10241.77,2749.23 C257.1@10259.31,2749.23 10277.01,2749.23 10284.06,2742.19 U47.10@10323.3,2742.19
NetC257_2: C257.2 R199.1 U47.9 | length 115.4
  Bottom Layer w5: R199.1@10213.04,2710 10214.54,2711.5 10237.5,2711.5 10241.77,2715.77 C257.2@10259.31,2715.77 10280.52,2715.77 10287.25,2722.5 U47.9@10323.3,2722.5
NetC258_1: C258.1 R206.1 U48.10 | length 119
  Bottom Layer w5: R206.1@10131.1,5005.8 10147.94,5005.8 10151.77,5001.97 10175.1,5001.97 C258.1@10175.89,5001.18 10198.6,5001.18 10206.98,4992.8 U48.10@10244.75,4992.8
NetC258_2: C258.2 R200.1 U48.9 | length 118.4
  Bottom Layer w5: R200.1@10131.1,4965.85 10150.39,4965.85 10152.46,4967.91 10175.69,4967.91 C258.2@10175.89,4967.72 10177.76,4965.85 10199.11,4965.85 10206.39,4973.12 U48.9@10244.75,4973.12
NetC259_1: C259.1 R207.1 U49.10 | length 115.8
  Bottom Layer w5: U49.10@9583.78,4711.12 9618.51,4711.12 9626.87,4702.76 C259.1@9647.54,4702.76 9666.73,4702.76 9672.24,4697.24 9692.42,4697.24 R207.1@9693.44,4696.22
NetC259_2: C259.2 R201.1 U49.9 | length 115.6
  Bottom Layer w5: U49.9@9583.78,4730.8 9618.89,4730.8 9626.08,4737.99 9645.77,4737.99 C259.2@9647.54,4736.22 9666.24,4736.22 9670.77,4740.75 9692.69,4740.75 R201.1@9693.44,4741.5
NetC260_2: C260.2 C261.1 FB22.2 U47.6 | length 71.6
  Bottom Layer w15.75: FB22.2@10122.18,2634.84 C261.1@10193.62,2634.84 C261.1@10193.52,2634.95
NetC262_2: C262.2 C265.1 FB24.2 U49.6 | length 77.2
  Bottom Layer w15.75: C265.1@9703.6,4801.22 FB24.2@9780.83,4801.22
NetC263_2: C263.2 C264.1 FB23.2 U48.6 | length 68.6
  Bottom Layer w15.75: FB23.2@10055.34,4901.46 C264.1@10123.9,4901.46
NetC266_2: C266.2 C267.1 FB26.2 U50.5 U50.9 U50.10 | length 51.1
  Top Layer w15.75: FB26.2@7587.1,6983.26 7635.23,6983.26 C266.2@7637.32,6985.35
NetC268_1: C268.1 U50.4 | length 45.1
  Top Layer w15.75: U50.4@7795.32,7052.47 7795.32,7069.39 7804.32,7078.39 C268.1@7804.32,7093.82
NetC269_1: C269.1 C270.1 FB25.1 U52.2 U52.6 U52.8 | length 70.8
  Top Layer w15.75: FB25.1@8161.88,7173.54 C269.1@8232.7,7173.54
NetC271_2: C271.2 C272.1 FB27.2 U51.5
NetC286_1: C286.1 FB33.1 U55.24 | length 60.1
  Bottom Layer w15.75: C286.1@356.95,2319.76 359.42,2317.29 FB33.1@415.97,2317.29
  other v1: 356.18,2362.09
NetC287_1: C287.1 FB34.1 U55.19 | length 59.2
  Bottom Layer w15.75: FB34.1@165.37,2320.18 165.79,2319.75 C287.1@224.39,2319.75
  other v1: 225.93,2362.49
NetC288_1: C288.1 FB28.1 U55.6 | length 59.8
  Top Layer w15.75: C288.1@424.34,2610.27 482.88,2610.27 FB28.1@483.8,2609.35
NetC289_2: C289.2 C290.1 C291.2 L9.1 R222.2 XTAL2.4
NetC294_2: C294.2 L10.2 L11.1 | length 121.5
  Top Layer w8.72: L10.2@763.45,1751.92 792.85,1751.92 ; C294.2@792.85,1699.45 792.85,1751.92 ; L11.1@832.51,1751.92 792.85,1751.92
NetC295_2: C295.2 L11.2 L12.1 | length 99.2
  Top Layer w8.72: L11.2@867.94,1751.92 L12.1@916.32,1751.92 ; C295.2@887.26,1699.45 887.26,1750.27
NetC296_2: C296.2 L12.2 R223.1 R225.2 | length 168.3
  Top Layer w8.72: C296.2@951.75,1699.45 951.75,1751.92 1066.73,1751.92 R223.1@1067.34,1751.31
NetC298_2: C298.2 L13.2 L14.1 | length 114.1
  Top Layer w8.72: L13.2@763.45,2633.44 792.85,2633.44 ; C298.2@792.85,2578.5 C298.2@792.85,2579.19 792.85,2633.44 ; L14.1@822.62,2633.44 792.85,2633.44
NetC299_2: C299.2 L14.2 L15.1 | length 111.6
  Top Layer w8.72: L14.2@858.05,2633.44 L15.1@916.32,2633.44 ; C299.2@887.26,2578.5 C299.2@887.26,2579.19 887.26,2631.79
NetC300_2: C300.2 L15.2 R224.1 R227.2 | length 168.8
  Top Layer w8.72: C300.2@951.75,2580.67 C300.2@951.75,2581.35 951.75,2633.44 1066.32,2633.44 R224.1@1067.34,2632.42
NetC302_2: C302.2 L16.2 L17.1 | length 114.1
  Top Layer w8.72: L16.2@763.45,1925.43 792.85,1925.45 ; C302.2@792.85,1870.53 792.85,1925.45 ; L17.1@822.62,1925.45 792.85,1925.45
NetC303_2: C303.2 L17.2 L18.1 | length 111.6
  Top Layer w8.72: L17.2@858.05,1925.45 L18.1@916.32,1925.45 ; C303.2@887.26,1870.53 887.26,1923.8
NetC304_2: C304.2 L18.2 R229.1 R231.2 | length 168.9
  Top Layer w8.72: C304.2@951.75,1872.69 951.75,1925.45 1066.08,1925.45 R229.1@1067.34,1926.71
NetC306_2: C306.2 L19.2 L20.1 | length 114.1
  Top Layer w8.72: L19.2@763.45,2830.96 792.85,2830.96 ; C306.2@792.85,2776.04 792.85,2830.96 ; L20.1@822.62,2830.96 792.85,2830.96
NetC307_2: C307.2 L20.2 L21.1 | length 111.6
  Top Layer w8.72: L20.2@858.05,2830.96 L21.1@916.32,2830.96 ; C307.2@887.26,2776.04 887.26,2829.31
NetC308_2: C308.2 L21.2 R230.1 R234.2 | length 168.4
  Top Layer w8.72: C308.2@951.75,2778.2 951.75,2830.96 1067.23,2830.96 R230.1@1067.34,2830.84
NetC310_2: C310.2 L22.2 L23.1 | length 114.1
  Top Layer w8.72: L22.2@763.45,2110 792.85,2110 ; C310.2@792.85,2055.05 792.85,2110 ; L23.1@822.62,2110 792.85,2110
NetC311_2: C311.2 L23.2 L24.1 | length 111.6
  Top Layer w8.72: L23.2@858.05,2110 L24.1@916.32,2110 ; C311.2@887.26,2055.05 887.26,2108.36
NetC312_2: C312.2 L24.2 R235.1 R237.2 | length 168.4
  Top Layer w8.72: C312.2@951.75,2057.22 951.75,2110 1067.27,2110 R235.1@1067.34,2109.94